# Altium PCB extension.PcbDoc (part 2 of 3) (continued)
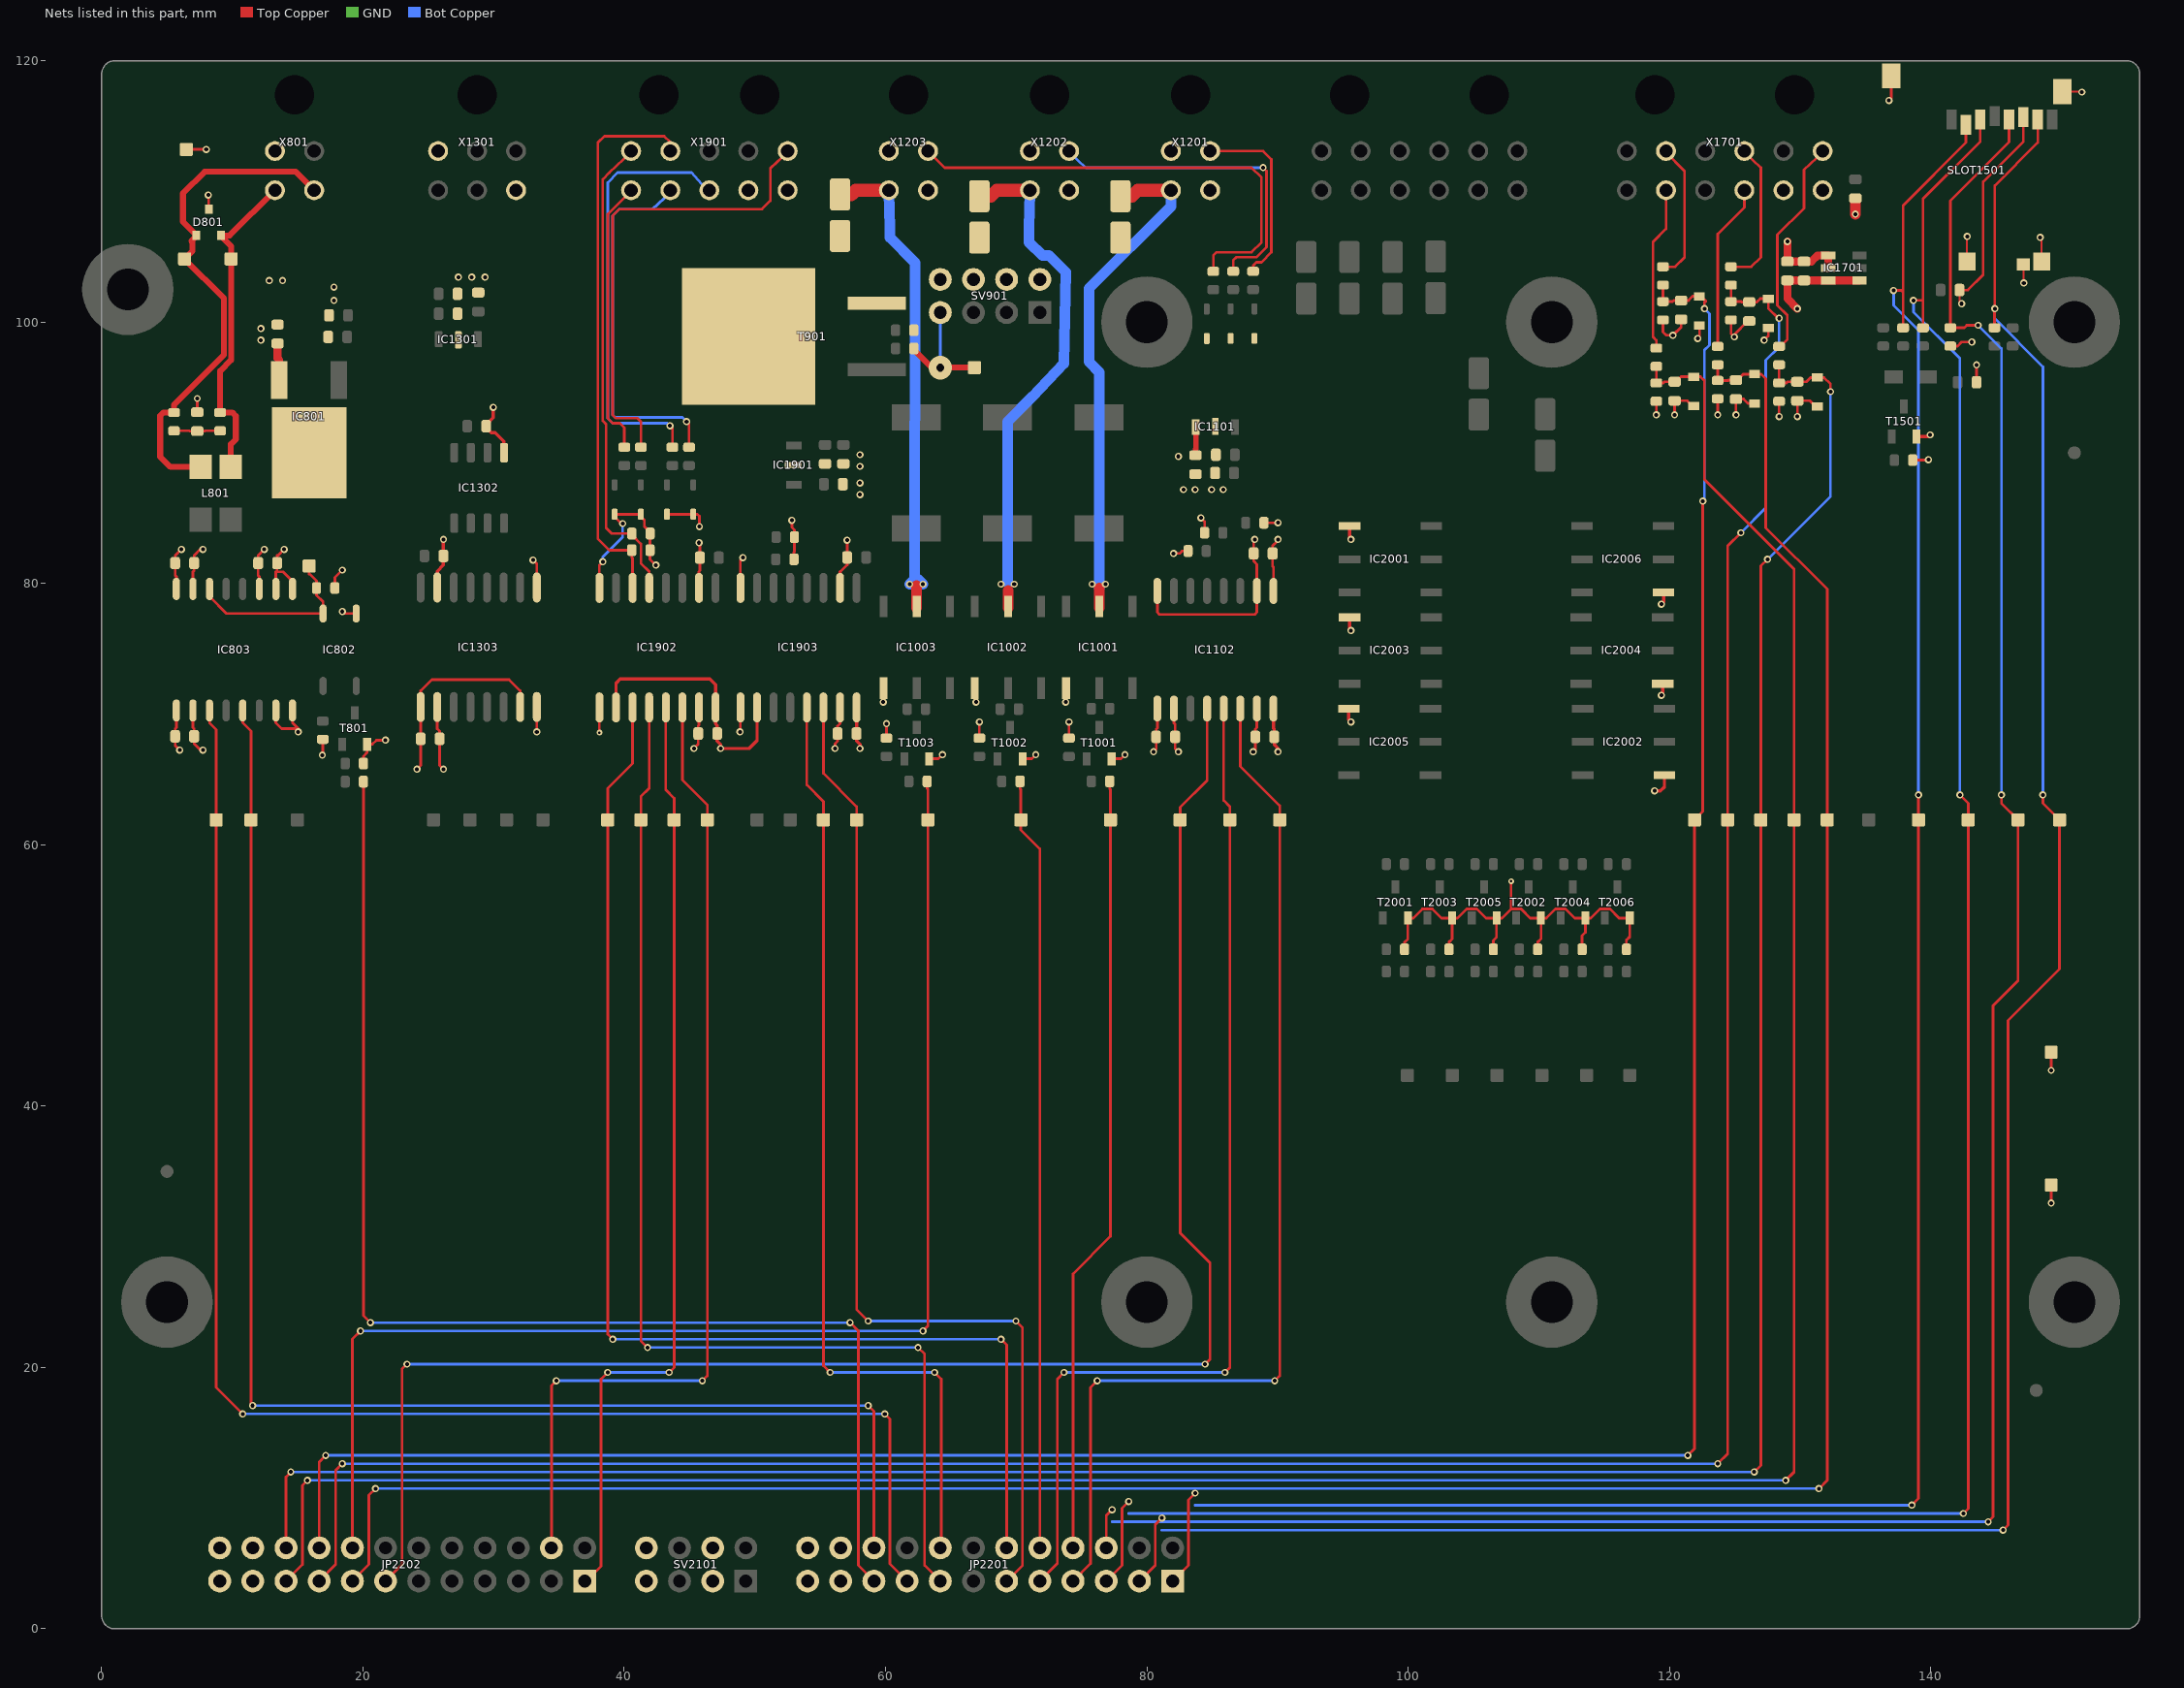
[diagram p4: the nets of this part, all layers, seen from the top]
## Part data (continued)
X1301: "Micro-Fit 3.0 Right Angle Header, 3.00mm Pitch, Dual Row, 6 Circuits, with Snap-in Plastic Peg PCB Lock, Tin, Glow Wire Capable, Black, 43045-0600", Manufacturer=Molex, Operating Temperature="-40°C - +105°C", Part Name=MicroFit, Rated Current=8.5A, Rated Voltage=600V, Supplier Part Number 1=1012252, Circuits=6, Part Number=molex_microfit_3_03x2_THT, Supplier 1=Farnell
X1701 X2001: "Micro-Fit 3.0 Right Angle Header, 3.00mm Pitch, Dual Row, 12 Circuits, with Snap-in Plastic Peg PCB Lock, Tin, Glow Wire Capable, Black, 43045-1200", Manufacturer=Molex, Operating Temperature="-40°C - +105°C", Part Name=MicroFit, Rated Current=8.5A, Rated Voltage=600V, Supplier Part Number 1=9732977, Circuits=12, Part Number=molex_microfit_3_06x2_THT, Supplier 1=Farnell
X1901: "Micro-Fit 3.0 Right Angle Header, 3.00mm Pitch, Dual Row, 10 Circuits, with Snap-in Plastic Peg PCB Lock, Tin, Glow Wire Capable, Black, 43045-1000", Manufacturer=Molex, Operating Temperature="-40°C - +105°C", Part Name=MicroFit, Rated Current=8.5A, Rated Voltage=600V, Supplier Part Number 1=1012255, Circuits=10, Part Number=molex_microfit_3_05x2_THT, Supplier 1=Farnell

## Via types
v1: diameter 0.55, hole 0.3, Top Copper to Bot Copper, tented both sides, 231 vias
v2: diameter 0.45, hole 0.203, Top Copper to Bot Copper, 2 vias
v3: diameter 0.9/1.8/1.8/0.9 (per signal layer), hole 0.6, Top Copper to Bot Copper, 1 vias

## Nets (pads, with @x,y where several pads share a name; then routed paths per layer and width w, separated by ;. In a path a pad name is that pad's centre, name@x,y a point inside that pad or via, vN(x,y) a via of type N, cw(c..) or ccw(c..) an arc to the next point about the centre after c; other vN are vias at no path point)
+3.3V_0: C807.2 C1105.1 C1106.1 C1306.1 C1703.1 C1704.1 C1905.1 C1907.1 IC803.1 IC1001.1 IC1002.1 IC1003.1 IC1102.10 IC1102.16 IC1303.1 IC1303.7 IC1701.3 IC1701.4 IC1902.10 IC1902.16 IC1903.10 IC1903.16 IC2001.1 IC2002.1 IC2003.1 IC2004.1 IC2005.1 IC2006.1 JP2201.21 JP2201.23 JP2202.21 JP2202.23 LSP2101.1 R804.1 R1501.2 SV2101.7 T1501.2 | length 72.8
  Top Copper w0.203: IC803.1@5.715,70.28 5.715,68.967 5.625,68.877 C807.2@5.625,68.301 5.625,67.588 v1(5.969,67.244) ; v1(16.891,66.863) 16.923,66.895 R804.1@16.923,67.981 ; v1(24.13,65.786) 24.421,66.077 C1306.1@24.421,68.114 24.421,69.286 24.416,69.291 IC1303.1@24.416,70.543 24.416,71.795 25.265,72.644 31.186,72.644 32.036,71.795 IC1303.7@32.036,70.543 ; v1(59.817,70.927) 59.849,70.959 IC1003.1@59.849,71.993 IC1003.1@59.849,72.118 ; IC1002.1@66.834,72.118 IC1002.1@66.834,71.993 66.834,71.022 v1(66.929,70.927) ; v1(73.787,70.927) 73.819,70.959 IC1001.1@73.819,71.993 IC1001.1@73.819,72.118 ; IC1102.10@82.074,70.427 82.074,69.326 82.164,69.236 C1105.1@82.164,68.26 82.164,67.376 v1(82.423,67.117) ; R1501.2@138.709,89.437 139.795,89.437 v1(139.827,89.469) ; v1(149.225,42.733) LSP2101.1@149.225,44.13
  Top Copper w0.254: IC1902.10@39.37,70.511 39.37,72.365 39.7,72.695 46.558,72.695 46.99,72.263 IC1902.16@46.99,70.511 46.99,69.26 47.112,69.138 C1905.1@47.112,68.514 47.112,67.937 47.371,67.678 v1(47.371,67.371) 49.566,67.371 50.165,67.97 IC1903.10@50.165,70.511 ; IC1903.16@57.785,70.511 57.785,69.096 57.78,69.091 C1907.1@57.78,68.514 57.78,67.937 58.039,67.678 v1(58.039,67.371) ; IC1102.16@89.694,70.427 89.694,68.895 89.752,68.837 C1106.1@89.752,68.26 89.752,67.683 90.043,67.392 v1(90.043,67.117) ; IC2005.1@95.459,70.419 95.459,69.575 v1(95.631,69.403) ; IC2003.1@95.522,77.404 95.522,76.497 v1(95.631,76.388) ; IC2001.1@95.522,84.389 95.522,83.482 v1(95.631,83.373) ; v1(118.872,64.135) 119.319,64.135 119.616,64.432 IC2002.1@119.616,65.339 ; v1(119.38,71.435) 119.489,71.544 IC2004.1@119.489,72.324 ; v1(119.38,78.42) 119.552,78.592 IC2006.1@119.552,79.309 ; T1501.2@138.904,91.24 139.82,91.24 v1(139.954,91.374)
  Top Copper w0.61: v1(129.794,101.026) 129.032,101.788 C1704.1@129.032,103.19 C1703.1@130.302,103.19 133.905,103.19 IC1701.4@134.556,103.19
+5.0V_0: SV2101.8
ADC_MCU_0_CH_0: C1701.1 D1701.1 JP2202.18 LSP1701.1 R1701.2 R1702.1 | length 205.7
  Top Copper w0.203: JP2202.18@16.65,6.191 16.65,12.774 v1(17.145,13.269) ; R1701.2@119.507,102.834 R1702.1@119.507,101.567 120.238,101.567 120.327,101.656 C1701.1@120.904,101.656 121.481,101.656 121.481,101.678 121.784,101.982 D1701.1@122.301,101.982 122.401,101.982 122.788,101.595 122.682,101.489 v1(122.682,101.026) ; v1(121.412,13.269) 121.92,13.777 LSP1701.1@121.92,61.91 122.555,62.545 v1(122.555,86.294)
  Bot Copper w0.203: v1(17.145,13.269) v1(121.412,13.269) ; v1(122.555,86.294) 122.682,86.421 122.682,97.851 123.063,98.232 123.063,100.645 v1(122.682,101.026)
ADC_MCU_0_CH_1: C1705.1 D1703.1 JP2202.17 LSP1704.1 R1705.2 R1706.1 | length 210.7
  Top Copper w0.203: JP2202.17@16.65,3.651 16.65,3.662 17.907,4.919 17.907,12.126 v1(18.415,12.634) ; v1(123.698,12.634) 124.46,13.396 LSP1704.1@124.46,61.91 124.46,82.865 v1(125.476,83.881) ; R1705.2@124.714,102.834 R1706.1@124.714,101.567 125.496,101.567 125.534,101.529 C1705.1@126.111,101.529 126.688,101.529 126.95,101.791 D1703.1@127.572,101.791 127.572,101.054 128.33,100.296 v1(128.397,100.296)
  Bot Copper w0.203: v1(18.415,12.634) v1(123.698,12.634) ; v1(125.476,83.881) 127.381,85.786 127.381,97.089 128.397,98.105 v1(128.397,100.296)
ADC_MCU_0_CH_2: C1708.1 D1705.1 JP2202.20 LSP1705.1 R1709.2 R1710.1 | length 210.3
  Top Copper w0.203: JP2202.20@14.11,5.662 14.097,11.618 v1(14.478,11.999) ; JP2202.20@14.11,6.191 JP2202.20@14.11,6.583 ; v1(126.492,11.999) 127,12.507 LSP1705.1@127,61.91 127,81.341 v1(127.508,81.849) ; R1709.2@128.397,96.738 R1710.1@128.397,95.344 128.949,95.344 129.038,95.433 C1708.1@129.794,95.433 130.475,95.433 130.801,95.759 D1705.1@131.318,95.759 131.835,95.759 132.334,95.26 v1(132.334,94.676)
  Bot Copper w0.203: v1(14.478,11.999) v1(126.492,11.999) ; v1(127.508,81.849) 132.334,86.675 v1(132.334,94.676)
ADC_MCU_0_CH_3: C1702.1 D1702.1 JP2202.19 LSP1702.1 R1703.2 R1704.1 | length 214.1
  Top Copper w0.203: JP2202.19@14.11,3.651 14.11,3.662 15.367,4.919 15.367,10.983 v1(15.748,11.364) ; R1703.2@118.999,96.611 R1704.1@118.999,95.344 119.551,95.344 119.64,95.433 C1702.1@120.396,95.433 120.496,95.433 120.888,95.825 120.89,95.822 D1702.1@121.856,95.822 122.373,95.822 122.682,95.514 122.682,87.945 129.54,81.087 LSP1702.1@129.54,61.91 129.54,11.999 v1(128.905,11.364) ; D1702.1@121.856,95.782 D1702.1@121.856,95.82
  Bot Copper w0.203: v1(15.748,11.364) v1(128.905,11.364)
ADC_MCU_0_CH_4: C1706.1 D1704.1 JP2202.15 LSP1703.1 R1707.2 R1708.1 | length 210.7
  Top Copper w0.203: JP2202.15@19.19,3.651 20.447,4.934 20.447,10.221 v1(20.955,10.729) ; R1707.2@123.698,96.738 R1708.1@123.698,95.535 124.493,95.535 124.518,95.56 C1706.1@125.095,95.56 125.195,95.56 125.648,96.013 D1704.1@126.524,96.013 127.04,96.013 127.381,95.672 127.381,84.262 132.08,79.563 LSP1703.1@132.08,61.91 132.08,11.364 v1(131.445,10.729)
  Bot Copper w0.203: v1(20.955,10.729) v1(131.445,10.729)
ANALOG_IN_CH_0: R1701.1 X1701.2 | length 10.6
  Top Copper w0.203: R1701.1@119.507,104.234 120.429,104.234 121.158,104.963 121.158,111.567 119.738,112.987 X1701.2@119.738,113.009
ANALOG_IN_CH_1: R1705.1 X1701.4 | length 11.2
  Top Copper w0.203: R1705.1@124.714,104.234 126.271,104.234 127,104.963 127,111.827 X1701.4@125.738,113.009 ; R1705.1@124.714,104.321 R1705.1@124.721,104.328
ANALOG_IN_CH_2: R1709.1 X1701.6 | length 17
  Top Copper w0.203: R1709.1@128.397,98.138 128.497,98.138 129.032,98.673 129.032,100.518 128.27,101.28 128.27,106.68 130.302,108.712 130.302,111.653 X1701.6@131.738,113.009
ANALOG_IN_CH_3: R1703.1 X1701.8 | length 12.5
  Top Copper w0.203: R1703.1@118.999,98.098 118.999,98.613 118.745,98.867 118.745,106.147 119.742,107.144 X1701.8@119.742,110.094
ANALOG_IN_CH_4: R1707.1 X1701.10 | length 12.5
  Top Copper w0.203: R1707.1@123.698,98.225 123.698,106.741 125.738,108.781 X1701.10@125.738,109.909
CAN_1_H: D801.1 L801.4 LSP802.1 R802.2 X801.4 | length 39.5
  Top Copper w0.457: L801.4@7.588,88.918 5.265,88.918 4.481,89.702 4.481,92.837 4.724,93.08 R802.2@5.537,93.08 5.537,93.675 9.347,97.485 9.347,101.839 LSP802.1@6.35,104.836 6.952,105.438 6.952,106.126 6.87,106.208 7.241,106.58 D801.1@7.241,106.63 7.241,106.68 6.225,107.696 6.225,109.857 7.874,111.506 14.851,111.506 X801.4@16.263,110.094
CAN_1_L: D801.2 L801.1 LSP803.1 R801.1 X801.3 | length 25.1
  Top Copper w0.457: L801.1@9.888,88.918 9.888,90.66 10.262,91.034 10.262,92.812 9.993,93.08 R801.1@9.069,93.08 9.069,96.268 9.906,97.104 LSP803.1@9.906,104.836 9.906,105.815 9.142,106.58 D801.2@9.142,106.63 9.801,106.63 X801.3@13.265,110.094
CAN_1_RX: IC803.5 JP2201.20 LSP806.1 | length 112
  Top Copper w0.203: IC803.5@10.795,70.28 10.795,69.328 11.43,68.693 LSP806.1@11.43,61.91 11.43,17.206 v1(11.557,17.079) ; v1(58.674,17.079) 59.11,16.643 JP2201.20@59.11,6.191 JP2201.20@59.11,5.893
  Bot Copper w0.203: v1(11.557,17.079) v1(58.674,17.079)
CAN_1_SPLIT: C804.1 R801.2 R802.1 | length 3.6
  Top Copper w0.203: R802.1@5.537,91.68 6.714,91.68 6.739,91.655 C804.1@7.315,91.655 7.892,91.655 7.917,91.68 R801.2@9.069,91.68
CAN_1_TRANS_STANDBY_CONTROL: JP2201.19 R806.2 | length 98.9
  Top Copper w0.203: R806.2@20.036,64.831 20.036,23.967 v1(20.574,23.429) ; v1(57.277,23.429) 57.912,22.794 57.912,4.849 JP2201.19@59.11,3.651
  Bot Copper w0.203: v1(20.574,23.429) v1(57.277,23.429)
CAN_1_TX: IC803.3 JP2201.17 LSP805.1 | length 117.5
  Top Copper w0.203: IC803.3@8.255,70.28 8.255,69.328 8.763,68.82 LSP805.1@8.763,61.91 8.763,18.476 v1(10.795,16.444) ; v1(59.944,16.444) 60.325,16.063 60.325,4.976 JP2201.17@61.65,3.651
  Bot Copper w0.203: v1(10.795,16.444) v1(59.944,16.444)
CAN_TRANS_1_EXT_SUPPLY: C803.2 C805.2 C806.2 IC801.3 IC803.11 IC803.16 R803.1 | length 11.1
  Top Copper w0.203: IC803.16@5.715,79.58 5.715,80.532 5.625,80.622 C806.2@5.625,81.559 5.625,82.136 6.096,82.607 v1(6.096,82.611) ; IC803.11@12.065,79.58 12.065,80.532 11.975,80.622 C805.2@11.975,81.559 11.975,82.14 v1(12.446,82.611) ; R803.1@17.845,79.657 17.845,80.453 v1(18.415,81.023)
  Top Copper w0.61: C803.2@13.462,98.364 13.462,97.24 13.595,97.107 IC801.3@13.595,95.555 ; IC801.3@13.528,95.926 IC801.3@13.587,95.867 ; C803.2@13.528,98.294 13.536,98.302 C803.2@13.587,98.302
  other v1: 12.192,98.613 12.192,99.502
CAN_TRANS_1_STANDBY: IC802.4 IC803.14 LSP804.1 R803.2 | length 13.9
  Top Copper w0.203: IC803.14@8.255,79.58 8.255,79.005 9.558,77.702 IC802.4@16.944,77.702 16.944,78.606 16.445,79.105 R803.2@16.445,79.657 16.445,80.208 15.92,80.733 15.875,80.733 LSP804.1@15.875,81.335
CONTACTOR_6_COIL_POS: D1001.1 IC1001.5 X1201.3 | length 38.8
  Top Copper w0.813: IC1001.5@76.359,78.118 IC1001.5@76.359,78.243 76.359,79.658
  Top Copper w1.016: D1001.1@77.978,109.643 78.855,109.643 79.306,110.094 X1201.3@81.845,110.094
  Bot Copper w0.813: 76.359,79.658 76.359,96.168 75.565,96.962 75.565,102.564 81.844,108.843 X1201.3@81.844,109.909
  other v1: 75.819,79.944 76.835,79.944
CONTACTOR_6_CONTROL: JP2201.8 LSP1001.1 R1001.2 | length 59.9
  Top Copper w0.203: JP2201.8@74.35,6.191 74.35,27.167 77.216,30.033 77.216,60.771 ; R1001.2@77.154,64.854 77.154,64.303 77.216,64.241 LSP1001.1@77.216,61.91 77.216,61.155 ; 77.209,60.765 77.216,60.771 ; 77.209,60.771 77.216,60.771 ; 77.216,61.148 77.216,60.771
CONTACTOR_6_FEEDBACK: IC1102.14 JP2201.7 LSP1101.1 | length 82.5
  Top Copper w0.203: JP2201.7@74.35,3.651 75.692,4.993 75.692,18.476 v1(76.2,18.984) ; IC1102.14@87.154,70.4 87.154,66.008 90.17,62.992 LSP1101.1@90.17,61.91 90.17,19.365 v1(89.789,18.984)
  Bot Copper w0.203: v1(76.2,18.984) v1(89.789,18.984)
CONTACTOR_6_FEEDBACK_EXT: R1101.2 X1201.2 | length 14.3
  Top Copper w0.203: X1201.2@84.844,113.009 84.885,113.05 84.924,113.089 88.902,113.089 89.535,112.456 89.535,105.344 88.773,104.582 88.392,104.582 88.138,104.328 R1101.2@88.138,103.972
CONTACTOR_7_COIL_POS: D1002.1 IC1002.5 X1202.3 | length 38.5
  Top Copper w0.813: IC1002.5@69.374,78.118 IC1002.5@69.374,78.243 69.374,79.468
  Top Copper w1.016: D1002.1@67.183,109.643 68.06,109.643 68.511,110.094 X1202.3@71.05,110.094
  Bot Copper w0.813: 69.342,80.071 69.342,92.39 71.247,94.295 73.66,96.835 73.787,103.82 72.517,105.09 72.009,105.09 70.993,106.106 70.993,107.253 X1202.3@71.049,109.909
  other v1: 68.834,79.944 69.85,79.944
CONTACTOR_7_CONTROL: JP2201.10 LSP1002.1 R1004.2 | length 59.3
  Top Copper w0.203: R1004.2@70.296,64.854 70.296,64.303 70.358,64.241 LSP1002.1@70.358,61.91 70.358,61.155 70.351,61.148 70.358,61.148 71.81,59.696 JP2201.10@71.81,6.191
CONTACTOR_7_FEEDBACK: IC1102.13 JP2201.9 LSP1103.1 | length 80.2
  Top Copper w0.203: JP2201.9@71.81,3.651 73.152,4.993 73.152,19.111 v1(73.66,19.619) ; IC1102.13@85.884,70.4 85.884,63.402 86.36,62.926 LSP1103.1@86.36,61.91 86.36,20 v1(85.979,19.619)
  Bot Copper w0.203: v1(73.66,19.619) v1(85.979,19.619)
CONTACTOR_7_FEEDBACK_EXT: R1102.2 X1202.2 | length 25.2
  Top Copper w0.203: R1102.2@86.614,103.972 86.614,104.734 86.843,104.963 88.392,104.963 89.154,105.725 89.154,111.567 v1(88.9,111.821)
  Bot Copper w0.203: X1202.2@74.049,113.009 75.317,111.821 v1(88.9,111.821)
CONTACTOR_8_COIL_POS: D1003.1 IC1003.5 X1203.3 | length 37.2
  Top Copper w0.813: IC1003.5@62.389,78.118 IC1003.5@62.389,78.243 62.389,79.849
  Top Copper w1.016: D1003.1@56.515,109.77 57.392,109.77 57.716,110.094 X1203.3@60.255,110.094
  Bot Copper w0.813: X1203.3@60.254,109.909 60.325,107.238 60.325,106.487 62.262,104.55 62.23,80.325 v1(61.849,79.944) ; 62.357,80.325 62.484,80.325 v1(62.865,79.944)
CONTACTOR_8_CONTROL: JP2202.16 LSP1003.1 R1007.2 | length 102.2
  Top Copper w0.203: JP2202.16@19.19,6.191 19.19,22.172 v1(19.812,22.794) ; v1(62.865,22.794) 63.246,23.175 LSP1003.1@63.246,61.91 63.246,64.241 63.184,64.303 R1007.2@63.184,64.854
  Bot Copper w0.203: v1(19.812,22.794) v1(62.865,22.794)
CONTACTOR_8_FEEDBACK: IC1102.12 JP2202.13 LSP1102.1 | length 130.5
  Top Copper w0.203: JP2202.13@21.73,3.651 22.987,4.908 22.987,19.873 v1(23.368,20.254) ; v1(84.455,20.254) 84.836,20.635 84.836,28.001 82.55,30.287 LSP1102.1@82.55,61.91 82.55,62.865 84.614,64.929 IC1102.12@84.614,70.427
  Bot Copper w0.203: v1(23.368,20.254) v1(84.455,20.254)
CONTACTOR_8_FEEDBACK_EXT: R1103.2 X1203.2 | length 36.6
  Top Copper w0.203: X1203.2@63.254,113.009 63.248,113.089 64.516,111.821 88.011,111.821 88.773,111.059 88.773,106.106 88.011,105.344 85.344,105.344 85.09,105.09 R1103.2@85.09,103.972
CONTACTOR_FEEDBACK_SUPPLY_EXT: C1103.1 C1104.1 IC1101.1 IC1102.1 R1104.2 R1105.2 R1106.2 | length 9.7
  Top Copper w0.203: v1(82.042,82.296) 82.512,82.296 82.7,82.484 R1106.2@83.152,82.484 ; v1(84.138,85.024) 84.422,84.739 R1105.2@84.422,83.881 ; R1104.2@89.052,84.643 v1(90.043,84.643) ; IC1102.1@89.694,79.427 89.694,81.248 89.625,81.317 C1104.1@89.625,82.296 89.625,82.873 90.043,83.291 v1(90.043,83.373)
  Top Copper w0.406: C1103.1@83.725,89.813 83.725,90.29 83.749,90.313 IC1101.1@83.749,91.96
  other v1: 82.423,89.723
CONTACTORS_COMMON_NEG: D1001.2 D1002.2 D1003.2 T901.4 X1201.4 X1202.4 X1203.4
DATA_STORAGE_SPI_Memorycard_NSS: JP2201.1 LSP1502.1 R1506.1 SLOT1501.2 | length 174.5
  Top Copper w0.203: JP2201.1@81.97,3.651 83.185,4.866 83.185,9.872 v1(83.693,10.38) ; v1(137.16,102.423) 137.763,102.423 137.89,102.296 ; R1506.1@137.89,99.654 137.89,102.296 ; v1(138.557,9.459) 139.065,9.967 LSP1502.1@139.065,61.91 v1(139.065,63.815) ; SLOT1501.2@142.695,115.098 142.695,113.739 137.89,108.934 137.89,102.296
  Bot Copper w0.203: 83.693,9.459 v1(138.557,9.459) ; v1(137.16,102.423) 137.16,101.28 139.065,99.375 v1(139.065,63.815)
DATA_STORAGE_SPI_MISO: JP2201.3 LSP1505.1 R1507.1 SLOT1501.7 | length 184.5
  Top Copper w0.203: JP2201.3@79.43,3.651 80.645,4.866 80.645,7.967 v1(81.153,8.475) ; R1507.1@144.875,99.567 144.875,100.994 v1(144.907,101.026) 144.907,110.451 148.195,113.74 SLOT1501.7@148.195,115.498 ; v1(145.542,7.554) 145.923,7.935 145.923,46.543 149.86,50.48 LSP1505.1@149.86,61.91 148.59,63.18 v1(148.59,63.815)
  Bot Copper w0.203: 81.153,7.554 v1(145.542,7.554) ; v1(144.907,101.026) 144.907,100.264 148.59,96.581 v1(148.59,63.815)
DATA_STORAGE_SPI_MOSI: JP2201.5 LSP1503.1 R1504.1 SLOT1501.3 | length 183.8
  Top Copper w0.203: JP2201.5@76.89,3.651 78.105,4.849 78.105,9.237 v1(78.613,9.745) ; v1(138.684,101.661) 139.414,101.661 ; R1504.1@139.414,99.654 139.414,101.661 ; v1(142.24,63.815) 142.875,63.18 LSP1503.1@142.875,61.91 142.875,9.205 v1(142.494,8.824) ; SLOT1501.3@143.795,115.498 143.795,113.823 139.414,109.442 139.414,101.661
  Bot Copper w0.203: 78.613,8.824 v1(142.494,8.824) ; v1(138.684,101.661) 138.684,100.772 142.24,97.216 v1(142.24,63.815)
DATA_STORAGE_SPI_SCK: JP2201.6 LSP1504.1 R1505.2 SLOT1501.5 | length 183.8
  Top Copper w0.203: JP2201.6@76.89,6.191 76.89,8.657 v1(77.343,9.11) ; R1505.2@141.51,99.567 142.569,99.567 142.758,99.756 v1(143.637,99.756) ; R1505.2@141.51,99.654 141.51,109.295 145.995,113.781 SLOT1501.5@145.995,115.498 ; v1(144.399,8.189) 144.78,8.57 144.78,47.686 146.685,49.591 LSP1504.1@146.685,61.91 145.415,63.18 v1(145.415,63.815)
  Bot Copper w0.203: 77.343,8.189 v1(144.399,8.189) ; v1(143.637,99.756) 145.415,97.978 v1(145.415,63.815)
GND_0: C807.1 C1105.2 C1106.2 C1306.2 C1501.1 C1502.2 C1701.2 C1702.2 C1703.2 C1704.2 C1705.2 C1706.2 C1707.2 C1708.2 C1905.2 C1907.2 D1701.2 D1702.2 D1703.2 D1704.2 D1705.2 IC803.2 IC803.7 IC803.8 IC1102.9 IC1102.15 IC1303.2 IC1303.8 IC1701.1 IC1701.2 IC1902.9 IC1902.15 IC1903.9 IC1903.15 JP2201.22 JP2201.24 JP2202.22 JP2202.24 LSP2102.1 R805.2 R1002.1 R1005.1 R1008.1 R1505.1 R1702.2 R1704.2 R1706.2 R1708.2 R1710.2 R2003.1 R2004.1 R2009.1 R2010.1 R2015.1 R2016.1 SLOT1501.6 SLOT1501.6_1 SLOT1501.SH SV2101.3 SV2101.4 T801.S T1001.S T1002.S T1003.S T2001.S T2002.S T2003.S T2004.S T2005.S T2006.S X1701.11 X1701.12 | length 136.2
  Top Copper w0.152: C1501.1@142.203,102.455 142.203,101.571 v1(142.367,101.407) ; SLOT1501.SH@142.785,104.638 142.785,105.44 142.76,105.465 142.76,106.514 v1@142.799,106.475 ; SLOT1501.6_1@147.095,104.413 147.095,103.029 v1(147.13,102.994) ; v1(148.387,106.477) 148.485,106.378 SLOT1501.SH@148.485,104.638 ; SLOT1501.SH@150.085,117.638 151.536,117.638 v1(151.575,117.599)
  Top Copper w0.203: IC803.2@6.985,70.28 6.985,68.967 7.075,68.877 C807.1@7.075,68.301 7.075,67.724 7.555,67.244 v1(7.747,67.244) ; IC803.7@13.335,70.28 13.335,69.328 13.779,68.884 14.807,68.884 v1(15.05,68.641) 15.05,68.884 14.605,69.328 IC803.8@14.605,70.28 ; R805.2@20.036,66.228 20.036,66.78 20.317,67.061 T801.S@20.317,67.695 20.719,67.695 21.03,68.006 v1(21.717,68.006) ; IC1303.2@25.686,70.543 25.686,68.876 25.871,68.69 C1306.2@25.871,68.114 25.871,66.077 v1(26.162,65.786) ; v1(33.306,68.641) IC1303.8@33.306,70.543 IC1303.8@33.306,70.59 ; v2(38.1,68.58) IC1902.9@38.1,70.511 ; v1(45.339,67.371) 45.662,67.694 C1905.2@45.662,68.514 45.662,69.091 45.72,69.149 IC1902.15@45.72,70.511 ; v1(48.863,68.641) 48.895,68.673 IC1903.9@48.895,70.511 ; v1(56.134,67.371) 56.134,67.741 56.33,67.937 C1907.2@56.33,68.514 56.33,69.091 56.499,69.26 56.515,69.26 IC1903.15@56.515,70.511 ; R1008.1@60.071,68.253 v1(60.071,69.276) ; T1003.S@63.339,66.584 64.046,66.584 v1(64.357,66.895) ; R1005.1@67.183,68.253 v1(67.183,69.403) ; T1002.S@70.482,66.584 71.19,66.584 v1(71.501,66.895) ; R1002.1@74.041,68.253 v1(74.041,69.403) ; T1001.S@77.309,66.584 78.016,66.584 v1(78.327,66.895) ; v1(80.518,67.117) 80.714,67.313 C1105.2@80.714,68.26 80.714,68.837 80.804,68.926 IC1102.9@80.804,70.427 ; v1(88.138,67.117) 88.302,67.281 C1106.2@88.302,68.26 88.302,68.837 88.424,68.958 IC1102.15@88.424,70.427 ; R2003.1@99.728,51.996 99.728,52.548 99.978,52.798 T2001.S@99.978,54.392 100.388,54.392 101.091,55.095 101.859,55.095 102.563,54.392 T2003.S@103.375,54.392 ; R2009.1@103.125,51.996 103.125,52.548 103.375,52.798 T2003.S@103.375,54.392 ; R2015.1@106.522,51.996 106.522,52.674 106.772,52.924 T2005.S@106.772,54.392 ; v2(107.886,57.214) 107.886,55.095 ; R2004.1@109.92,51.996 109.92,52.548 110.17,52.798 T2002.S@110.17,54.392 ; R2010.1@113.317,51.996 113.317,53.043 113.567,53.293 T2004.S@113.567,54.392 ; R2016.1@116.714,51.996 116.714,52.706 116.964,52.956 T2006.S@116.964,54.392 116.152,54.392 115.448,55.095 114.68,55.095 113.977,54.392 T2004.S@113.567,54.392 ; v1(118.999,92.898) R1704.2@118.999,93.857 ; R1702.2@119.507,100.08 119.507,99.248 119.761,98.994 v1(120.269,98.994) 120.904,99.629 C1701.2@120.904,100.144 ; v1(120.396,92.898) C1702.2@120.396,93.983 121.366,93.983 121.756,93.592 D1702.2@121.856,93.592 ; v1(122.174,98.74) 122.301,98.867 D1701.2@122.301,99.752 D1701.2@122.301,99.754 ; v1(123.698,92.898) R1708.2@123.698,94.135 ; R1706.2@124.714,100.08 124.714,99.121 v1(124.968,98.867) 124.968,99.036 126.011,100.079 C1705.2@126.111,100.079 ; v1(125.095,92.898) C1706.2@125.095,94.048 ; C1706.2@125.095,94.11 125.68,94.11 126.007,93.783 D1704.2@126.524,93.783 ; C1705.2@126.111,100.01 C1705.2@126.111,100.017 ; v1(127.254,98.613) 127.572,98.93 D1703.2@127.572,99.561 D1703.2@127.572,99.564 ; v1(128.397,92.771) R1710.2@128.397,93.857 ; v1(129.794,92.771) C1708.2@129.794,93.983 130.764,93.983 131.218,93.529 D1705.2@131.318,93.529 ; v1(136.811,116.964) 136.985,117.139 SLOT1501.SH@136.985,118.838 ; R1505.1@141.51,98.167 142.062,98.167 142.37,98.476 v1(143.154,98.476) ; C1501.1@142.203,102.455 142.841,102.455 144.018,103.632 144.018,110.744 147.095,113.821 SLOT1501.6@147.095,115.698 ; C1502.2@143.51,95.402 v1(143.51,96.723) ; v1(149.225,32.573) LSP2102.1@149.225,33.97 ; T2003.S@103.375,54.392 103.785,54.392 104.488,55.095 105.257,55.095 105.96,54.392 T2005.S@106.772,54.392 ; T2005.S@106.772,54.392 107.182,54.392 107.886,55.095 ; 107.886,55.095 108.654,55.095 109.357,54.392 T2002.S@110.17,54.392 ; T2002.S@110.17,54.392 110.58,54.392 111.283,55.095 112.051,55.095 112.754,54.392 T2004.S@113.567,54.392
  Top Copper w0.61: v1(129.032,106.172) C1704.2@129.032,104.64 C1703.2@130.302,104.64 130.879,104.64 131.329,105.09 IC1701.1@132.156,105.09 IC1701.2@132.156,104.14
  Top Copper w0.813: v1(134.239,108.265) C1707.2@134.239,109.415
  other v1: 142.799,106.553
GND_EXT_0: C1101.2 C1102.2 C1103.2 C1104.2 C1901.2 C1902.2 C1903.2 C1904.2 C1906.2 D1101.2 D1102.2 D1103.2 D1901.2 D1902.2 D1903.2 D1904.2 IC1101.2 IC1102.2 IC1102.8 IC1901.2 IC1902.2 IC1902.8 IC1903.2 IC1903.8 R1903.1 R1904.1 R1907.1 R1908.1 SV901.8 X1201.1 X1202.1 X1203.1 X1901.9 X1901.10 | length 44.6
  Top Copper w0.203: IC1902.8@38.1,79.661 38.1,81.407 v1(38.354,81.661) ; v1(39.878,84.582) 39.782,84.582 39.271,85.094 D1902.2@39.271,85.294 D1901.2@41.275,85.294 41.275,85.094 41.539,84.83 41.539,84.356 41.975,83.92 R1903.1@41.975,83.82 R1904.1@41.975,82.55 41.975,81.85 v1(42.418,81.407) ; D1904.2@43.279,85.294 D1903.2@45.284,85.294 45.61,85.294 45.752,85.152 v1(45.752,84.357) ; IC1902.2@45.72,79.661 45.72,80.913 45.789,80.982 C1903.2@45.789,81.976 45.789,83.05 v1(45.72,83.119) ; IC1903.8@48.895,79.614 IC1903.8@48.895,79.661 48.895,81.785 v1(49.085,81.976) ; v1(52.832,84.836) 52.832,84.297 53.024,84.105 R1907.1@53.024,83.553 53.024,82.433 52.992,82.401 R1908.1@52.992,81.849 ; IC1903.2@56.515,79.661 56.515,80.913 56.558,80.913 57.06,81.415 C1906.2@57.06,81.991 v1(57.06,83.312) ; IC1102.8@80.804,79.455 IC1102.8@80.804,79.427 80.804,77.785 80.962,77.626 88.265,77.626 88.424,77.785 IC1102.2@88.424,79.427 88.424,81.471 88.175,81.719 C1104.2@88.175,82.296 88.175,83.283 v1(88.265,83.373)
  GND w0.203: v1@39.751,84.709 v1(39.878,84.582)
  Bot Copper w0.203: v1(38.354,81.661) 38.354,82.039 39.878,83.563 v1(39.878,84.582)
  other v1: 58.039,86.802 82.804,87.183 83.693,87.183 84.963,87.183 85.852,87.183 58.039,87.691 58.039,88.961 58.039,89.85
GND_EXT_1: C801.1 C802.1 C803.1 C804.2 C805.1 C806.1 D801.3 IC801.2 IC802.3 IC803.9 IC803.10 IC803.15 LSP801.1 X801.1 | length 13.8
  Top Copper w0.203: LSP801.1@6.477,113.218 v1(8.001,113.218) ; IC803.15@6.985,79.58 6.985,80.893 7.075,80.983 C806.1@7.075,81.559 7.075,82.136 7.55,82.611 v1(7.747,82.611) ; C804.2@7.315,93.105 v1(7.315,94.158) ; v1(8.16,109.725) 8.191,109.725 D801.3@8.191,108.63 ; IC803.10@13.335,79.58 13.335,80.893 ; v1(13.97,82.611) 13.495,82.136 13.425,82.136 C805.1@13.425,81.559 13.425,80.983 13.335,80.893 ; IC803.9@14.605,79.58 14.605,80.155 13.867,80.893 13.335,80.893 ; v1(18.415,77.848) 18.561,77.702 IC802.3@19.484,77.702
  other v1: 17.78,101.661 17.78,102.677 12.827,103.185 13.843,103.185
GND_EXT_2: R901.2 SV901.2 SV901.4 SV901.6 T901.3
GND_EXT_3: C1301.2 C1302.2 C1303.2 C1304.2 C1305.2 IC1301.2 IC1302.5 IC1303.9 IC1303.15 X1301.1 X1301.6 | length 10.5
  Top Copper w0.203: v1(33.02,81.788) 33.306,81.502 IC1303.9@33.306,79.693
  Top Copper w0.254: IC1303.15@25.686,79.693 25.686,80.945 26.157,81.416 C1305.2@26.157,82.103 26.157,83.368 v1(26.162,83.373) ; v1(29.972,93.472) 29.972,92.684 29.427,92.139 C1304.2@29.427,92.039 29.427,91.939 29.819,91.547 30.112,91.547 30.797,90.862 IC1302.5@30.797,90.01
  other v1: 27.305,103.439 28.321,103.439 29.337,103.439
INTERLOCK_STATUS: LSP901.1 R902.2 SV901.7 | length 9.5
  Top Copper w0.457: R902.2@62.168,97.978 62.168,97.878 63.537,96.509 v3(64.19,96.509) 64.201,96.52 LSP901.1@66.802,96.52
  Bot Copper w0.203: v3(64.19,96.509) SV901.7@64.19,100.73
ISO_GPIO_MCU_0_IN_0: IC1902.14 JP2202.4 LSP1903.1 | length 76.6
  Top Copper w0.203: JP2202.4@34.43,6.191 34.43,18.616 v1(34.798,18.984) ; IC1902.14@44.45,70.511 44.45,64.958 46.355,63.053 LSP1903.1@46.355,61.91 46.355,19.365 v1(45.974,18.984) ; IC1902.14@44.45,70.559 IC1902.14@44.482,70.527
  Bot Copper w0.203: v1(34.798,18.984) v1(45.974,18.984)
ISO_GPIO_MCU_0_IN_0_EXT: R1901.2 X1901.5 | length 36.3
  Top Copper w0.203: R1901.2@41.275,90.51 41.275,92.39 41.021,92.644 39.37,92.644 39.116,92.898 39.116,108.138 39.624,108.646 50.546,108.646 51.181,109.281 51.181,111.756 X1901.5@52.514,113.009
ISO_GPIO_MCU_0_IN_1: IC1902.13 JP2202.1 LSP1901.1 | length 72.8
  Top Copper w0.203: JP2202.1@36.97,3.651 37.086,3.651 38.227,4.792 38.227,19.111 v1(38.735,19.619) ; IC1902.13@43.18,70.511 43.18,64.196 43.815,63.561 LSP1901.1@43.815,61.91 43.815,20 v1(43.434,19.619) ; IC1902.13@43.18,70.559 IC1902.13@43.212,70.527
  Bot Copper w0.203: v1(38.735,19.619) v1(43.434,19.619)
ISO_GPIO_MCU_0_IN_1_EXT: R1902.2 X1901.6 | length 21.2
  Top Copper w0.203: R1902.2@40.005,90.51 40.005,91.914 39.656,92.263 39.116,92.263 38.735,92.644 38.735,108.265 40.514,110.044 X1901.6@40.514,109.909
ISO_GPIO_MCU_0_IN_2: IC1903.14 JP2201.11 LSP1905.1 | length 80.3
  Top Copper w0.203: IC1903.14@55.245,70.511 55.245,65.466 57.785,62.926 LSP1905.1@57.785,61.91 57.785,24.445 v1(58.674,23.556) ; IC1903.14@55.245,70.559 IC1903.14@55.277,70.527 ; JP2201.11@69.27,3.651 70.485,4.866 70.485,23.048 v1(69.977,23.556)
  Bot Copper w0.203: v1(58.674,23.556) v1(69.977,23.556)
ISO_GPIO_MCU_0_IN_2_EXT: R1905.2 X1901.7 | length 28.2
  Top Copper w0.203: v1(44.767,92.39) 44.958,92.199 R1905.2@44.958,90.51
  Bot Copper w0.203: X1901.7@43.514,109.909 42.164,108.646 39.624,108.646 39.116,108.138 39.116,92.898 39.304,92.71 44.447,92.71 v1(44.767,92.39)
ISO_GPIO_MCU_0_IN_3: IC1903.13 JP2201.16 LSP1907.1 | length 73.4
  Top Copper w0.203: IC1903.13@53.975,70.511 53.975,64.577 55.245,63.307 LSP1907.1@55.245,61.91 55.245,20.127 v1(55.753,19.619) ; IC1903.13@53.975,70.559 IC1903.13@54.007,70.527 ; v1(63.754,19.619) 64.262,19.111 JP2201.16@64.262,6.263 ; JP2201.16@64.19,6.191 JP2201.16@64.262,6.263 ; JP2201.16@64.262,6.227 JP2201.16@64.262,6.263
  Bot Copper w0.203: v1(55.753,19.619) v1(63.754,19.619)
ISO_GPIO_MCU_0_IN_3_EXT: R1906.2 X1901.8 | length 33.5
  Top Copper w0.203: v1(43.497,92.072) 43.688,91.882 R1906.2@43.688,90.51
  Bot Copper w0.203: v1(43.497,92.072) 43.307,92.263 39.116,92.263 38.735,92.644 38.735,110.678 39.497,111.44 45.163,111.44 46.422,110.013 X1901.8@46.514,109.909
ISO_GPIO_MCU_0_OUT_0: IC1902.12 JP2201.15 LSP1904.1 | length 88.8
  Top Copper w0.203: v1(41.783,21.524) 41.275,22.032 LSP1904.1@41.275,61.91 41.275,63.688 41.91,64.323 IC1902.12@41.91,70.511 ; IC1902.12@41.91,70.559 IC1902.12@41.942,70.527 ; v1(62.484,21.524) 62.992,21.016 62.992,4.849 JP2201.15@64.19,3.651
  Bot Copper w0.203: v1(41.783,21.524) v1(62.484,21.524)
ISO_GPIO_MCU_0_OUT_0_EXT: IC1902.5 R1903.2 X1901.1 | length 36.6
  Top Copper w0.203: X1901.1@40.514,113.009 38.865,111.44 38.862,111.44 38.354,110.932 38.354,92.453 38.608,92.199 38.608,84.262 39.05,83.82 R1903.2@40.575,83.82 40.575,83.72 41.275,83.02 41.275,81.548 41.91,80.913 IC1902.5@41.91,79.661
ISO_GPIO_MCU_0_OUT_1: IC1902.11 JP2201.12 LSP1902.1 | length 95.2
  Top Copper w0.203: v1(39.116,22.159) 38.735,22.54 LSP1902.1@38.735,61.91 38.735,64.323 40.64,66.228 IC1902.11@40.64,70.511 ; IC1902.11@40.64,70.559 IC1902.11@40.672,70.527 ; v1(68.834,22.159) 69.27,21.723 JP2201.12@69.27,6.191
  Bot Copper w0.203: v1(39.116,22.159) v1(68.834,22.159)
ISO_GPIO_MCU_0_OUT_1_EXT: IC1902.6 R1904.2 X1901.2 | length 42.9
  Top Copper w0.203: IC1902.6@40.64,79.661 40.64,81.933 40.575,81.998 R1904.2@40.575,82.55 38.862,82.55 37.973,83.439 37.973,113.726 38.481,114.234 43.053,114.234 43.514,113.773 X1901.2@43.514,113.009